# Altium PCB SINA33D3.0.PcbDoc (part 2 of 3)
Units mil, origin at the board's own origin, x right, y up, seen from the top; angles counter-clockwise.
Board outline 5708.66 x 4251.97 mil, 2 copper layers (Top, Bottom), stack 12.7 mil thick; 275 components, 238 nets, 1094 pads, 1002 vias.
Unrouted connection lines stored in the file: 663.
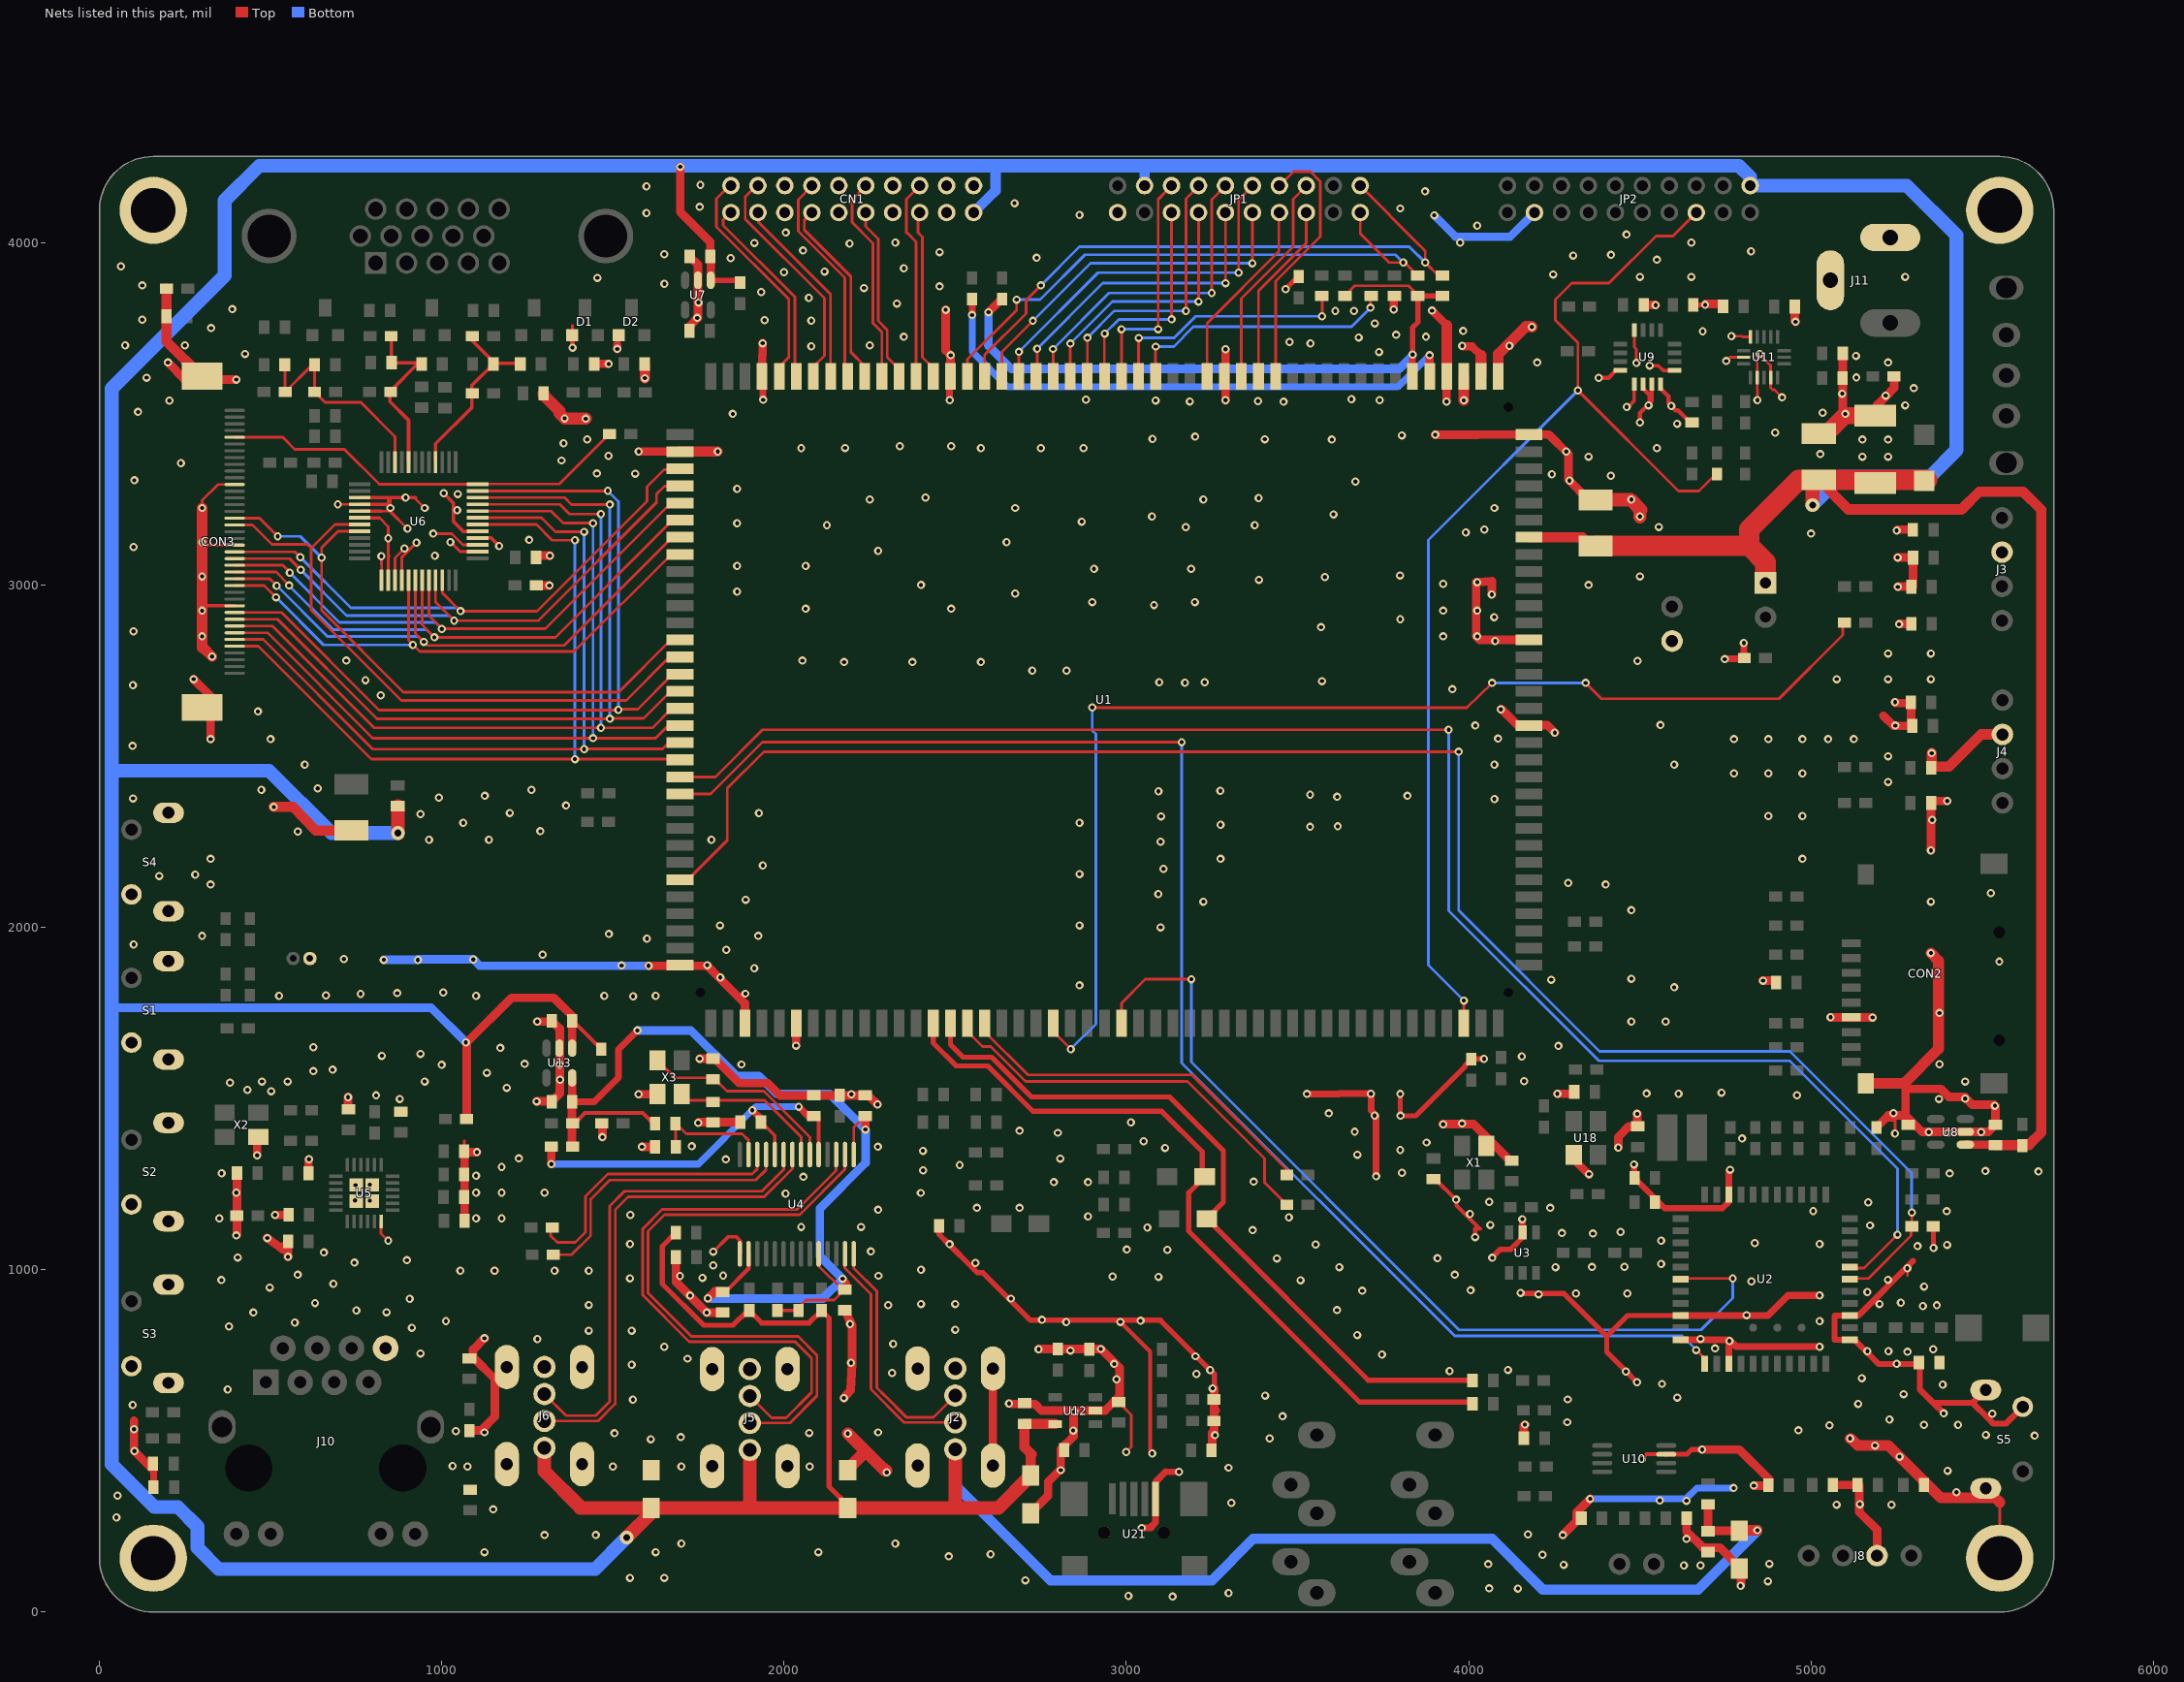
[diagram p2: the nets of this part, all layers, seen from the top]

## Via types
v1: diameter 24, hole 12, Top to Bottom, 999 vias
v2: diameter 40, hole 20, Top to Bottom, 3 vias

## Nets (pads, with @x,y where several pads share a name; then routed paths per layer and width w, separated by ;. In a path a pad name is that pad's centre, name@x,y a point inside that pad or via, vN(x,y) a via of type N, cw(c..) or ccw(c..) an arc to the next point about the centre after c; other vN are vias at no path point) (continued)
AP-UART2-RX: R62.2 U1.127 | length 1207.3
  Top w8: U1.127@2535.83,1719.69 2535.83,1696.07 2579.93,1651.97 2603.94,1651.97 2706.01,1549.9 3178.74,1549.9 3403.44,1325.2 3403.44,1254.93 R62.2@3468.61,1189.76
AP-UART2-TX: R61.2 U1.128 | length 1089.2
  Top w8: U1.128@2585.83,1719.69 2585.83,1700 2587.01,1698.82 2587.01,1694.89 2712.6,1569.29 3191.73,1569.29 3468.61,1292.42 R61.2@3468.61,1276.77
AP-WAKE-BB: U1.136 U2.28 | length 2691.9
  Top w8: U1.136@2985.83,1719.69 2985.83,1778.74 3055.52,1848.43 v1(3189.77,1848.43) ; U2.28@4619.3,972.44 4617.33,974.41 v1(4771.26,974.41)
  Bottom w8: v1(3189.77,1848.43) 3189.77,1606.3 3971.66,824.41 4678.72,824.41 4771.26,916.96 v1(4771.26,974.41)
AVDD33V: C47.1 C49.1 R66.1 U4.5 U4.10 | length 1193.5
  Top w8: R66.1@1320.08,1359.35 R66.1@1320.19,1359.45 ; C47.1@1932.37,1431.06 C47.1@1933.69,1431.06 ; C49.1@2086.57,1449.13 2087.84,1450.4 C49.1@2101.01,1450.4
  Top w10: C47.1@1933.69,1431.06 1973.01,1391.74 U4.10@1973.01,1336.34 ; U4.5@2101.01,1336.34 C49.1@2101.01,1450.4
  Top w20: v1(1907.09,1466.14) 1937.27,1435.96 1937.41,1435.83 1937.14,1435.83 C47.1@1932.37,1431.06 ; v1(2042.92,1476.38) 2074.81,1444.49 2079.45,1449.13 C49.1@2086.57,1449.13
  Top w25: v1(1320.08,1308.66) R66.1@1320.08,1359.35
  Bottom w20: v1(1320.08,1308.66) 1749.61,1308.66 v1(1907.09,1466.14) 1917.72,1476.77 2042.52,1476.77 v1(2042.92,1476.38)
BT-RST-N: U1.101 U2.34 | length 4365.6
  Top w8: U1.101@1695.67,2389.57 1785.44,2389.57 1936.82,2540.95 v1(3161.42,2540.95) ; v1(4664.57,765.36) 4688.98,740.95 U2.34@4688.98,725.59
  Bottom w8: v1(3161.42,2540.95) 3161.42,1604.33 3959.45,806.3 4623.63,806.3 v1(4664.57,765.36)
BT-WAKE-AP: U1.100 U2.7 | length 4839.7
  Top w8: U1.100@1695.67,2439.57 1799.41,2439.57 1937.01,2577.17 v1(3941.34,2577.17) ; U2.7@5113,1007.88 5109.85,1007.88 5107.09,1005.12 5155.12,1005.12 v1(5252.37,1102.37)
  Bottom w8: v1(3941.34,2577.17) 3941.34,2048.82 4379.73,1610.44 4937.21,1610.44 5252.37,1295.28 v1(5252.37,1102.37)
BT-WAKE-BT: R58.1 U1.106 U2.6 | length 5039.4
  Top w8: U1.106@1695.67,2139.57 1719.3,2139.57 1834.26,2254.53 1834.26,2406.7 1940.56,2513 v1(3970.48,2513) ; U2.6@5113,972.44 5115.16,974.61 5167.52,974.61 5292.52,1099.61 5292.52,1124.7 R58.1@5294.59,1126.77 5294.59,1166.82 v1(5294.09,1167.32)
  Bottom w8: v1(3970.48,2513) 3970.48,2049.61 4382.09,1638 4938.39,1638 5294.1,1282.28 v1(5294.09,1167.32)
CSI-D0: JP1.16 U1.56 | length 649.9
  Top w8: U1.56@2935.83,3609.45 2935.83,3733.86 v1(2936.62,3734.65) ; v1(3131.89,3775.99) 3131.89,4086.42 JP1.16@3131.9,4088
  Bottom w8: v1(2936.62,3734.65) 2977.96,3775.99 v1(3131.89,3775.99)
CSI-D1: JP1.15 U1.55 | length 680.1
  Top w8: U1.55@2985.83,3609.45 v1(2985.83,3747.25) ; v1(3092.92,3747.25) 3092.92,4126.18 JP1.15@3131.9,4166.74
  Bottom w8: v1(2985.83,3747.25) v1(3092.92,3747.25)
CSI-D2: JP1.14 U1.58 | length 781.2
  Top w8: U1.58@2835.83,3609.45 2835.83,3670.87 2836.22,3671.26 v1(2836.22,3705.12) ; v1(3210.63,3827.96) 3210.63,4086.42 JP1.14@3210.64,4088
  Bottom w8: v1(2836.22,3705.12) 2959.06,3827.96 v1(3210.63,3827.96)
CSI-D3: JP1.13 U1.57 | length 814
  Top w8: U1.57@2885.83,3609.45 2885.83,3679.14 2886.22,3679.53 v1(2886.22,3722.05) ; v1(3174.02,3800.79) 3173.82,3800.99 3173.82,4128.35 JP1.13@3210.64,4166.74
  Bottom w8: v1(2886.22,3722.05) 2964.96,3800.79 v1(3174.02,3800.79)
CSI-D4: JP1.12 U1.60 | length 924.8
  Top w8: U1.60@2735.83,3609.45 2739.37,3605.91 v1(2739.37,3690.16) ; v1(3289.37,3881.89) 3289.37,4086.42 JP1.12@3289.38,4088
  Bottom w8: v1(2739.37,3690.16) 2931.11,3881.89 v1(3289.37,3881.89)
CSI-D5: JP1.11 U1.59 | length 941.2
  Top w8: U1.59@2785.83,3609.45 v1(2785.83,3689.37) ; v1(3249.22,3852.76) 3249.22,4125 JP1.11@3289.38,4166.74
  Bottom w8: v1(2785.83,3689.37) 2949.22,3852.76 v1(3249.22,3852.76)
CSI-D6: JP1.10 U1.62 | length 1059.1
  Top w8: U1.62@2635.83,3609.45 2635.83,3680.71 v1(2726.78,3771.66) ; v1(3368.11,3939.77) 3368.11,4086.42 JP1.10@3368.12,4088
  Bottom w8: v1(2726.78,3771.66) 2894.89,3939.77 v1(3368.11,3939.77)
CSI-D7: JP1.9 U1.61 | length 1079.8
  Top w8: U1.61@2685.83,3609.45 v1(2685.83,3681.11) ; v1(3327.56,3912.6) 3327.56,4124.61 JP1.9@3368.12,4166.74
  Bottom w8: v1(2685.83,3681.11) 2917.33,3912.6 v1(3327.56,3912.6)
CSI-HSYNC: JP1.6 U1.47 | length 536.4
  Top w8: U1.47@3385.83,3609.45 3385.83,3859.06 3525.59,3998.82 3525.59,4086.43 JP1.6@3525.6,4088
CSI-MCLK: JP1.5 U1.48 | length 635.4
  Top w8: U1.48@3335.83,3609.45 3335.83,3836.62 3487.01,3987.8 3487.01,4126.58 JP1.5@3525.6,4166.74
CSI-PCLK: JP1.8 U1.50 | length 565.7
  Top w8: U1.50@3235.83,3609.45 3235.83,3764.57 3445.09,3973.83 3445.09,4084.65 JP1.8@3446.86,4088
CSI-RST-R: R7.2 U1.54 | length 746.4
  Top w8: U1.54@3035.83,3609.45 v1(3035.83,3721.66) ; R7.2@3570.92,3844.42 3571.66,3850.77 v1(3571.66,3785.04)
  Bottom w8: v1(3035.83,3721.66) 3139.37,3721.66 3202.76,3785.04 v1(3571.66,3785.04)
CSI-SCK: JP1.2 R18.1 U1.64 | length 1756.1
  Top w8: U1.64@2535.83,3609.45 2535.83,3659.45 2679.53,3803.15 v1(2679.53,3833.47) ; JP1.2@3683.08,4088 3683.08,4026.37 3767.33,3942.13 v1(3808.67,3942.13) 3812.73,3942.13 R18.1@3850.44,3904.42
  Bottom w8: v1(2679.53,3833.47) 2747.64,3833.47 2879.14,3964.96 3785.83,3964.96 v1(3808.67,3942.13)
CSI-SDA: JP1.1 R17.1 U1.63 | length 1891.9
  Top w8: U1.63@2585.83,3609.45 2585.83,3672.05 2706.8,3793.02 2706.8,3831.79 v1(2750,3875) ; JP1.1@3683.08,4166.74 3858.41,3990.26 3859.5,3989.17 ; 3859.5,3989.17 3872.84,3975.83 v1(3872.84,3942.13) 3911.42,3903.55 3912.29,3904.42 R17.1@3922.89,3904.42
  Bottom w8: v1(2750,3875) 2862.8,3987.8 2881.11,3987.8 2881.89,3988.59 3826.38,3988.59 v1(3872.84,3942.13)
CSI-STBY-R: R2.2 U1.53 | length 808
  Top w8: v1(3085.44,3696.46) 3085.44,3609.45 U1.53@3085.83,3609.45 ; v1(3713,3809.85) 3713,3849.89 R2.2@3714.62,3844.42
  Bottom w8: v1(3085.44,3696.46) 3138.59,3696.46 3195.67,3754.73 3657.88,3754.73 v1(3713,3809.85)
CSI-VSYNC: JP1.7 U1.46 | length 770.7
  Top w8: U1.46@3435.83,3609.45 3435.83,3887.8 3566.15,4018.11 3566.15,4178.74 3537.6,4207.29 3488.98,4207.29 JP1.7@3446.86,4166.74
DC-5V: B1.1 B9.2 C15.1 C22.1 C27.1 C28.1 C34.1 C46.1 C51.1 C53.1 C62.1 C63.1 C64.1 CN1.2 F1.2 J2.1 J5.1 J6.1 JP1.17 JP2.1 LED1.1 R24.1 R30.1 R32.1 R67.2 R70.2 R71.2 R75.2 TVS1.2 U1.26 U7.1 U8.1 U12.5 U13.1 | length 26309.4
  Top w8: B1.1@871.22,2354.25 B1.1@872.05,2353.42 ; C46.1@1381.11,1727.52 C46.1@1381.19,1727.52 C46.1@1383.02,1727.52 ; C62.1@1611.65,304.18 1613.78,302.04 C62.1@1613.78,291.74 ; C53.1@1784.34,3959.8 C53.1@1785.83,3958.31 ; R75.2@1871.66,3883.37 R75.2@1871.66,3890.16 ; C15.1@4789.93,237.17 C15.1@4791.74,238.98 ; C34.1@5001.18,3307.08 C34.1@5004.33,3303.93 ; C34.1@5010.24,3303.55 C34.1@5026.6,3303.55 ; F1.2@5339.37,3307.31 F1.2@5342.52,3304.16 ; U8.1@5450.79,1365.36 U8.1@5454.73,1365.75 ; C51.1@5538.59,1365.36 5538.55,1364.18 C51.1@5538.54,1363.7 C51.1@5539.02,1364.18
  Top w12: C46.1@1383.02,1727.52 R67.2@1465.75,1644.78
  Top w15: R32.1@1683.78,1107.92 1644.49,1068.64 1644.49,958.66 1765.36,837.8 1850.79,837.8 1893.81,880.81 R30.1@1898.43,880.81 1934.7,844.54 2073.18,844.54 R24.1@2109.45,880.81 2131.5,858.77 2131.5,366.93 2188.59,309.85 C64.1@2188.59,304.18 ; U7.1@1785.83,3890.16 R75.2@1871.66,3890.16 ; F1.2@5330.71,3304.16 F1.2@5342.52,3304.16
  Top w25: R71.2@1072.74,1440.55 1072.84,1440.66 1072.84,1663.39 1203.94,1794.49 1327.17,1794.49 1383.02,1738.64 C46.1@1383.02,1727.52 ; U13.1@1381.11,1647.25 C46.1@1381.11,1727.52 ; v1(1696.85,4221.66) 1696.85,4089.37 1784.34,4001.89 C53.1@1784.34,3959.8 ; U7.1@1785.83,3890.16 C53.1@1785.83,3958.31 ; U12.5@2791.5,549.21 U12.5@2791.5,550 ; B9.2@4698.87,315.29 4699.22,314.94 C22.1@4699.22,236.22 4700.16,237.17 C15.1@4789.93,237.17 ; U8.1@5454.73,1365.75 5522.74,1365.43 C51.1@5538.55,1365.36
  Top w30: C63.1@2720.24,398.58 2720.24,457.69 2723.58,461.02 2702.32,482.28 C27.1@2702.32,550.31 2791.19,550.31 U12.5@2791.5,550 ; U1.26@4175.99,3139.57 4331.72,3139.57 4357.68,3113.61 C28.1@4370.48,3113.61 ; C15.1@4791.74,238.98 v1(4843.31,238.98) ; C34.1@5022.84,3307.31 5026.6,3303.55 5109.28,3220.87 5439.37,3220.87 5491.34,3272.83 5619.29,3272.83 5672.44,3219.68 5672.44,1401.18 5636.22,1364.96 5636.22,1364.18 C51.1@5539.02,1364.18
  Top w40: v2(872.05,2275.59) B1.1@872.05,2353.42 ; J6.1@1300,479.53 1300,411.26 1405.12,306.14 1405.12,304.18 C62.1@1611.65,304.18 1900.4,304.18 ; v2(1539.77,217.72) C62.1@1613.78,291.74 ; J5.1@1900,473.62 1900.4,473.23 1900.4,304.18 ; J2.1@2500,475.2 2500,304.18 ; C63.1@2720.24,398.58 2625.84,304.18 2500,304.18 ; v2(5004.33,3233.07) C34.1@5004.33,3303.93 ; 1900.4,304.18 C64.1@2186.06,304.18 2188.59,304.18 2500,304.18
  Top w60: C28.1@4370.48,3113.61 C28.1@4379.32,3113.61 ; C28.1@4386.62,3114.18 4819.3,3114.18 ; LED1.1@4866.93,3006.11 4866.93,3066.54 4819.3,3114.18 ; F1.2@5339.37,3307.31 C34.1@5022.84,3307.31 5022.61,3307.08 5001.18,3307.08 4963.39,3307.08 4819.3,3162.99 4819.3,3114.18
  Bottom w25: 35.83,1765.35 968.91,1765.35 v1(1070.48,1663.78)
  Bottom w30: J2.1@2500,475.2 2500,371.26 2778.35,92.91 3249.6,92.91 3370.47,213.78 4068.41,213.78 4216.15,66.05 4670.38,66.05 v1(4843.31,238.98) ; CN1.2@2553.56,4088 2597.34,4131.79 2617.62,4152.07 2617.62,4224.81 ; JP1.17@3053.16,4166.74 3053.16,4224.81
  Bottom w40: v2(872.05,2275.59) 677.56,2275.59 495.28,2457.88 35.83,2457.88 ; v2(1539.77,217.72) 1448.04,125.99 348.43,125.99 286.62,187.8 286.62,249.61 229.14,307.09 160.63,307.09 35.83,431.89 35.83,1765.35 35.83,2457.88 ; v2(5004.33,3233.07) 5085.43,3314.17 5085.43,3317.32 5348.03,3317.32 5424.81,3394.1 5424.81,4021.66 5279.72,4166.74 JP2.1@4822.06,4166.74 4822.06,4191.74 4788.98,4224.81 3053.16,4224.81 2617.62,4224.81 467.33,4224.81 365.75,4123.23 365.75,3903.94 35.83,3574.02 35.83,2457.88
DM1: J2.2 U4.27 | length 713.3
  Top w8: U4.27@2177.81,1046.34 2177.81,1004.73 2253.8,928.74 2253.8,650.79 2350.64,553.94 J2.2@2500,553.94
DM2: J5.2 U4.2 | length 1790.4
  Top w8: J5.2@1900,552.36 2016.54,552.36 2096.07,631.89 2096.07,744.89 2096.07,750.4 2041.34,805.12 1729.14,805.12 1602.37,931.89 1602.37,1112.21 1650.79,1160.63 2045.53,1160.63 2177.81,1292.92 U4.2@2177.81,1336.34
DM3: J6.2 U4.8 | length 1402.3
  Top w8: J6.2@1300,558.27 1456.7,558.27 1506.79,608.37 1506.79,1175.1 1544.68,1213 1941.53,1213 2024.21,1295.67 U4.8@2024.21,1336.34
DM4: R38.2 U4.11 | length 830.6
  Top w8: R38.2@1326.28,1043.7 1379.14,1043.7 1435.04,1099.61 1435.04,1205.85 1491.01,1261.81 1917.39,1261.81 1947.41,1291.84 U4.11@1947.41,1336.34
DOVDD-CSI: R8.2 R17.2 R18.2 R68.2 U1.38 | length 1993.3
  Top w8: R68.2@2635.54,3835.14 R68.2@2637.4,3835.14 ; R8.2@3639.03,3844.42 3667.84,3874.41 3823.23,3874.41 3850.45,3847.2 R18.2@3850.45,3844.42
  Top w15: v1(3835.83,3672.84) 3835.83,3751.58 3851.58,3767.33 3851.58,3843.29 R18.2@3850.45,3844.42 R17.2@3922.89,3844.42
  Top w20: U1.38@3835.83,3609.45 v1(3835.83,3672.84)
  Top w25: v1(2597.25,3796.85) R68.2@2635.54,3835.14
  Bottom w25: v1(2597.25,3796.85) 2597.25,3701.58 2595.67,3700 2664.57,3631.11 3796.07,3631.11 3835.83,3670.87 v1(3835.83,3672.84)
DP1: J2.3 U4.28 | length 710.3
  Top w8: U4.28@2203.41,1046.34 2203.41,1004.73 2270.48,937.66 2270.48,655.52 2295.48,630.52 2295.87,630.52 2356.7,569.69 2356.7,569.29 2436.62,569.29 J2.3@2500,632.68
DP2: J5.3 U4.3 | length 1782.9
  Top w8: J5.3@1900,631.1 1963.39,567.72 2006.3,567.72 2080.32,641.74 2080.32,741.74 2032.29,789.77 1723.23,789.77 1586.62,926.38 1586.62,1118.9 1643.7,1175.99 2038.43,1175.99 2152.21,1289.77 U4.3@2152.21,1336.34
DP3: J6.3 U4.9 | length 1400.4
  Top w8: J6.3@1300,637.01 1363,574.02 1449.61,574.02 1490.45,614.86 1490.45,1185.83 1533.86,1229.24 1934.94,1229.24 1998.61,1292.92 U4.9@1998.61,1336.34
DP4: R37.2 U4.12 | length 839.4
  Top w8: R37.2@1322.74,1122.84 1322.74,1123.33 1318.11,1127.96 1318.11,1099.22 1337.41,1079.92 1389.87,1079.92 1419.69,1109.74 1419.69,1214.18 1484.9,1279.39 1906.84,1279.39 1921.81,1294.35 U4.12@1921.81,1336.34
DSI-CKN: CN1.9 U1.69 | length 609.8
  Top w8: CN1.9@2238.59,4166.74 2198.23,4124.81 2198.23,4059.65 2259.65,3998.23 2259.65,3764.96 2285.83,3738.78 U1.69@2285.83,3609.45
DSI-CKP: CN1.10 U1.68 | length 520.5
  Top w8: CN1.10@2238.59,4088 2238.59,4047.25 2274.81,4011.03 2274.81,3771.26 2301.19,3744.89 2301.19,3665.36 2337.8,3628.74 2335.83,3626.77 U1.68@2335.83,3609.45
DSI-D0N: CN1.5 U1.67 | length 586.1
  Top w8: U1.67@2385.83,3609.45 2385.83,4002.17 2359.65,4028.35 2357.29,4028.35 2357.29,4126.38 CN1.5@2396.08,4166.74
DSI-D0P: CN1.6 U1.66 | length 522
  Top w8: CN1.6@2414.57,4074.16 CN1.6@2396.08,4088 2390.96,4081.31 2390.96,4029.92 2403.95,4016.93 2403.95,3665.75 2435.83,3633.87 U1.66@2435.83,3609.45
DSI-D1N: CN1.13 U1.71 | length 632.8
  Top w8: CN1.13@2081.11,4166.74 2041.74,4125.79 2041.74,4033.07 2177.17,3897.64 2177.17,3636.62 2185.83,3627.96 U1.71@2185.83,3609.45
DSI-D1P: CN1.14 U1.70 | length 560.8
  Top w8: CN1.14@2081.11,4088 2080.13,4086.43 2059.06,4065.36 2059.06,4037.01 2194.98,3901.09 2194.98,3680.32 2235.83,3639.47 U1.70@2235.83,3609.45
DSI-D2N: CN1.17 U1.73 | length 685.9
  Top w8: CN1.17@1923.63,4166.74 1918.32,4165.17 1886.22,4133.07 1886.22,4069.69 2117.72,3838.19 2117.72,3670.08 2083.08,3635.44 2085.83,3632.68 U1.73@2085.83,3609.45
DSI-D2P: CN1.18 U1.72 | length 566.2
  Top w8: CN1.18@1923.63,4088 1925.2,4084.86 1925.2,4059.85 2135.83,3849.22 U1.72@2135.83,3609.45
DSI-D3N: CN1.19 U1.75 | length 681.1
  Top w8: CN1.19@1844.89,4166.74 1839.78,4165.17 1802.56,4127.96 1802.56,4046.46 2013.78,3835.24 2013.78,3665.36 1979.14,3630.71 1985.83,3624.02 U1.75@1985.83,3609.45
DSI-D3P: CN1.20 U1.74 | length 585.6
  Top w8: CN1.20@1844.89,4088 1841.55,4086.43 1822.45,4067.33 1822.45,4050.79 2031.5,3841.74 2031.5,3605.12 U1.74@2035.83,3609.45
DVDD1V8-CSI: R69.2 U1.37 | length 1632.8
  Top w8: R69.2@2548.82,3835.14 R69.2@2549.22,3834.75
  Top w20: v1(2549.22,3788.59) R69.2@2549.22,3834.75
  Top w25: U1.37@3885.83,3609.45 v1(3885.83,3671.26)
  Bottom w20: v1(2549.22,3788.59) 2549.22,3682.68 2653.55,3578.35 3792.92,3578.35 3864.96,3650.4 v1(3885.83,3671.26)
GND: B6.1 B8.2 C1.2 C2.1 C3.2 C4.2 C5.1 C6.1 C7.2 C8.1 C9.1 C10.2 C11.2 C12.1 C13.2 C14.2 C15.2 C16.2 C18.1 C18.2 C19.2 C20.1 C21.1 C22.2 C24.1 C25.1 C26.2 C27.2 C28.2 C29.1 C30.1 C34.2 C35.2 C36.1 C37.1 C38.2 C39.1 C43.2 C44.2 C45.2 C46.2 C47.2 C48.2 C49.2 C50.2 C51.2 C52.2 C53.2 C54.2 C57.2 C62.2 C63.2 C64.2 C65.1 C66.2 C67.2 C68.2 C69.2 C70.1 C79.2 C82.2 C83.2 C85.2 C87.1 C97.1 CN1.1 CN1.3 CN1.4 CN1.7 CN1.8 CN1.11 CN1.12 CN1.15 CN1.16 CN2.2 CN3.2 CON2.6 CON2.10 CON3.11 CON3.20 CON3.29 CON3.41 CON3.42 D1.1 D2.1 ESD1.1 ESD2.1 ESD3.1 ESD4.1 ESD5.1 ESD6.1 ESD7.1 ESD8.1 ESD9.1 ESD10.1 ESD11.1 ESD12.1 J2.4 J2.5 J2.6 J2.7 J2.8 J3.3 J4.3 J5.4 J5.5 J5.6 J5.7 J5.8 J6.4 J6.5 J6.6 J6.7 J6.8 J8.3 J10.8 J11.2 J11.3 JP1.20 JP2.18 M2.1 M5.1 M7.1 M8.1 R3.1 R5.2 R6.2 R9.1 R16.1 R25.1 R26.1 R27.1 R33.2 R39.2 R40.2 R57.2 R58.2 R81.1 R85.2 R96.1 R102.2 R103.1 S1.1 S1.3 S1.4 S2.1 S2.3 S2.4 S3.1 S3.3 S3.4 S4.1 S4.3 S4.4 S5.1 S5.3 S5.4 TVS1.1 U1.15 U1.20 U1.32 U1.33 U1.34 U1.35 U1.36 U1.49 U1.65 U1.76 U1.81 U1.111 U1.114 U1.117 U2.1 U2.3 U2.20 U2.31 U2.33 U2.36 U3.2 U4.15 U5.6 U5.25 U5.26 U5.27 U5.28 U6.1 U6.2 U6.3 U6.4 U6.14 U6.15 U6.16 U6.17 U6.39 U6.40 U6.41 U6.42 U7.2 U8.2 U9.4 U9.8 U9.9 U9.10 U9.11 U9.12 U9.13 U10.7 U11.5 U11.7 U11.10 U11.12 U12.2 U13.2 U18.2 U21.5 X1.4 X2.2 X3.2 | length 27529.3
  Top w8: v1(300,3225) 300,3247.25 346.46,3293.7 CON3.29@395.28,3293.7 ; v1(400,1100) v1@401.89,1101.89 ; X2.2@463,1384.26 464.18,1385.44 X2.2@464.18,1388.19 ; v1(696.46,3235.44) 758.47,3235.44 758.67,3235.63 U6.40@760.24,3235.63 ; 817.72,3196.26 843.7,3170.28 v1(843.7,3136.62) 843.7,3087.4 846.85,3084.26 844.1,3081.5 U6.2@844.1,3013.98 ; U5.6@822.84,1141.34 822.84,1105.91 v1(843.7,1085.04) ; v1(823.63,3084.26) 823.63,3059.45 824.41,3058.66 U6.1@824.41,3013.98 ; 824.02,3215.95 848.63,3215.95 v1(900,3164.57) ; 842.92,3235.63 842.92,3247.25 850,3247.25 v1(850,3225) ; U6.3@863.78,3013.98 863.78,3079.53 v1(891.34,3107.09) ; U6.4@883.47,3013.98 883.47,3081.11 v1(925.99,3123.63) ; 923.23,3255.32 923.23,3251.77 v1(950,3225) ; v1(975,3150) 1028.94,3150 1061.42,3117.52 U6.15@1105.12,3117.52 ; v1(1025,3125) 1026.58,3125 1053.74,3097.84 U6.14@1105.12,3097.84 ; C8.1@1065.84,1346.41 1065.84,1376.77 1066.61,1376.77 C8.1@1066.61,1345.64 ; C85.2@1275.2,3080.32 C85.2@1275.2,3085.83 ; D1.1@1381.01,3729.85 1381.01,3757.88 1381.89,3757.88 D1.1@1381.89,3728.96 ; R27.1@1467.43,1427.17 R27.1@1469.3,1425.3 ; v1@1487.41,3646.07 v1(1487.8,3645.67) ; v1@1512.6,3701.58 1516.83,3701.58 D2.1@1516.84,3729.85 ; C37.1@1592.92,3646.07 C37.1@1593.7,3645.28 ; C13.2@1623.56,1359.06 C13.2@1623.56,1359.4 ; U1.81@1695.48,3389.77 U1.81@1695.67,3389.57 ; v1(1748.82,1429.14) v1@1750.74,1431.06 ; U1.76@1935.83,3609.45 U1.76@1938.59,3606.7 ; C45.2@2237.36,1509.13 C45.2@2246.39,1509.13 ; v1@2299.22,413.39 2299.22,429.92 2300,429.92 v1(2300,407.88) ; U1.65@2483.86,3607.48 U1.65@2485.83,3609.45 ; R103.1@2799.32,768.11 R103.1@2799.61,768.4 ; 2979.92,630.71 2982.68,627.96 2982.68,607.87 3014.17,576.38 3014.17,482.28 v1(2999.21,467.32) ; R85.2@3255.02,621.26 3255.79,593.3 3255.91,588.98 3260.24,588.98 ; v1@3255.91,653.55 3255.91,661.81 v1@3257.48,663.39 ; R5.2@3501.48,3900.69 R5.2@3503.94,3900.69 ; R9.1@3781.11,3844.89 3782.16,3844.89 R9.1@3783.03,3844.01 ; U1.36@3935.44,3604.73 3933.3,3606.7 3930.32,3609.45 U1.36@3935.83,3609.45 ; v1(3981.11,3698.82) 3981.5,3698.43 v1@3981.5,3696.85 ; v1(4156.7,1147.64) v1@4157.09,1147.25 ; C79.2@4161.42,507.48 C79.2@4161.42,512.21 ; C43.2@4307.09,1514.18 4307.09,1518.46 C43.2@4308.2,1519.56 ; v1(4461.42,3520.48) v1@4466.02,3520.48 ; U9.4@4483.67,3744.1 4483.67,3695.48 4489.77,3689.37 v1(4489.77,3648.43) ; C83.2@4656.37,3818.55 C83.2@4657.88,3817.05 ; v1(4690.56,3818.51) 4690.56,3819.29 v1@4692.13,3820.87 ; C68.2@4742.85,3813.74 C68.2@4742.85,3820.87 ; v1(4748.03,2783.46) v1@4748.82,2784.25 ; v1(4751.97,3654.33) 4763,3665.36 U11.7@4803.15,3665.36 ; U2.20@4759.85,1217.33 U2.20@4759.85,1219.29 ; v1@4759.85,1289.37 4762.6,1292.13 v1(4763.78,1292.13) ; v1(4767.33,3727.17) 4797.25,3727.17 4800,3724.41 U11.5@4822.84,3724.41 ; v1(4843.31,3539.77) 4843.31,3568.51 4842.52,3569.29 4842.52,3664.57 v1@4850.79,3672.84 ; v1(4850,3675) 4850.79,3674.22 v1@4850.79,3672.84 ; C16.2@4897.57,1838.74 4897.57,1844.03 C16.2@4898.03,1844.49 ; v1(4915.36,3548.03) 4893.31,3570.08 4888.19,3570.08 4881.89,3576.38 U11.12@4881.89,3606.3 4881.89,3641.74 v1@4850.79,3672.84 ; v1@5092.61,3500.79 5109.06,3500.79 v1@5109.06,3494.49 ; 5226.38,1437.01 5245.28,1437.01 v1(5245.28,1398.03) ; v1(5250,3159.06) v1@5252.71,3161.76 ; v1(5253.54,2994.49) v1@5254.33,2995.28 ; v1(5257.09,2885.43) v1@5257.92,2886.27 ; v1(5281.11,1003.94) 5281.89,1003.15 5281.89,983.07 ; ESD12.1@5297.17,3080.31 ESD12.1@5297.57,3079.92 ; M8.1@5551.18,157.48 5551.18,320.48
  Top w10: 300,2939.37 CON3.11@395.28,2939.37 ; v1@300,3116.54 CON3.20@395.28,3116.54 ; U6.42@760.24,3196.26 817.72,3196.26 ; U6.41@760.24,3215.95 824.02,3215.95 ; U6.40@760.24,3235.63 842.92,3235.63 ; U6.39@760.24,3255.32 923.23,3255.32 ; v1(1005.52,3268.11) 1033.47,3240.16 1033.47,3186.03 1062.6,3156.89 U6.17@1105.12,3156.89 ; U6.16@1105.12,3137.21 1105.32,3137.4 1144.49,3137.4 v1(1167.72,3114.18) ; v1(1793.31,1052.76) 1836.22,1095.67 1860.63,1095.67 1871.66,1084.65 ; U4.15@1870.61,1046.34 1870.61,1083.6 1871.66,1084.65 ; U4.15@1871.66,1046.34 1871.66,1084.65 ; v1@4466.02,3520.48 4483.67,3538.12 U9.9@4483.67,3586.62 ; v1(4528.74,3640.95) 4553.94,3640.95 4567.92,3626.97 U9.13@4600.79,3626.97
  Top w11.81: C3.2@3896.9,1264.89 3901.9,1264.89 3962.53,1204.26 3964.57,1202.22 3964.57,1187.8 4032.68,1119.69 4019.3,1119.69 4018.9,1119.29 4018.51,1119.29 v1(4018.51,1095.28) ; U3.2@4157.09,1094.09 U3.2@4157.09,1109.06 ; v1(4505.91,446.85) 4505.91,447.45 4519.29,460.83 U10.7@4576.97,460.83